# KiCad board ergodonk_simple_zero.kicad_pcb (continued)
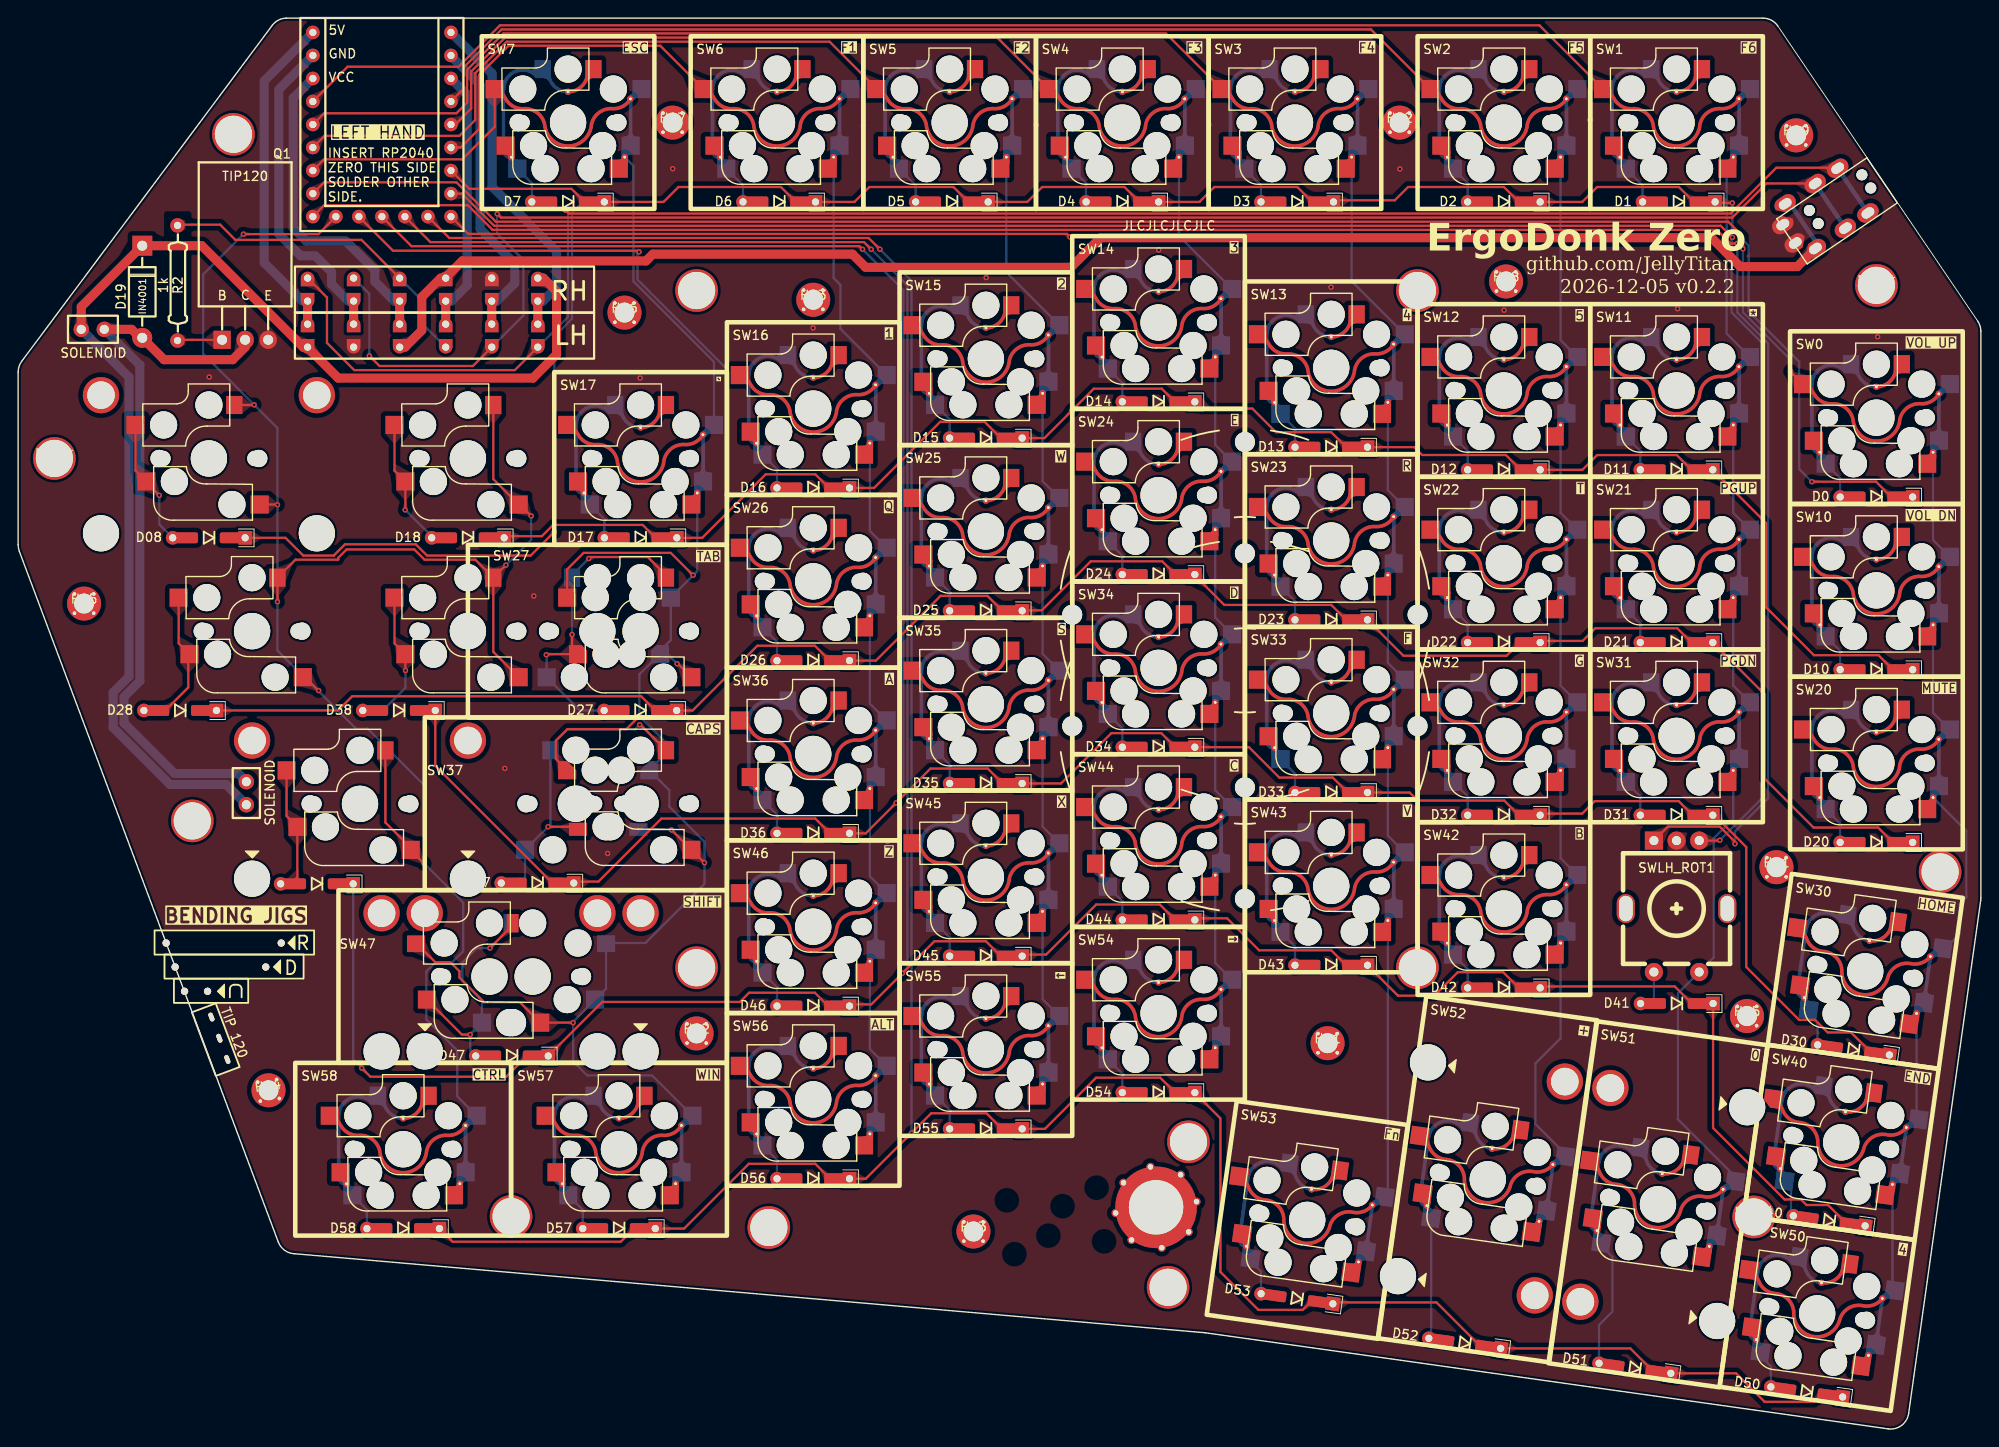
[diagram p0: board, top side]
## Footprints (pads in the part's own frame, mm; a bottom-side part is the same pattern mirrored in y, then rotated)
CherryMX_Choc_Hotswap_ergodonk_simple_zero_DS
  round 1.9 hole 1.9 unplated: (-5.5,0) (5.5,0)
  round 1.7 hole 1.7 unplated: (-5.08,0) (5.08,0)
  round 3 hole 3 unplated: (-5,-3.7) (-3.81,2.54) (-2.54,5.08) (0,-5.9) (2.54,5.08) (3.81,2.54) (5,-3.7)
  round 4 hole 4 unplated: (0,0)
  rect 1.8x2 smd: 5(-2.8,-5.9)
  custom 3.033x2.595 smd: 5(0,-3.4)
  round 0.7 hole 0.3: 5(0,-3.4) 5(6.25,3.81) 6(-6.882,-2.624) 6(-6.25,3.81)
  custom 2.983x2.545 smd far side: 5(1.523,-4.027)
  rrect 1.8x2 smd far side: 5(2.8,-5.9)
  rect 2x2 smd far side: 5(5.6,5.08) 6(-8.1,-3.7) 6(-6.9,2.54)
  custom 1.33x1.33 smd: 5(6.19,3.21) 6(-6.29,4.35)
  rect 2x2 smd: 5(6.9,2.54) 6(-5.6,5.08) 6(8.1,-3.7)
  custom 4.025x11.24 smd far side: 5(7.122,-0.355)
  custom 2.385x6.79 smd far side: 6(-6.9,0.06)
  custom 1.33x1.33 smd far side: 6(-6.29,3.34)
  custom 14.792x6.569 smd: 6(-0.004,2.589)
CherryMX_Choc_Hotswap_ergodonk_simple_zero_DS_1.25u
  round 1.9 hole 1.9 unplated: (-5.5,0) (5.5,0)
  round 1.7 hole 1.7 unplated: (-5.08,0) (5.08,0)
  round 3 hole 3 unplated: (-5,-3.7) (-3.81,2.54) (-2.54,5.08) (0,-5.9) (2.54,5.08) (3.81,2.54) (5,-3.7)
  round 4 hole 4 unplated: (0,0)
  rect 1.8x2 smd: 5(-2.8,-5.9)
  custom 3.033x2.595 smd: 5(0,-3.4)
  round 0.7 hole 0.3: 5(0,-3.4) 5(6.25,3.81) 6(-6.882,-2.624) 6(-6.25,3.81)
  custom 2.983x2.545 smd far side: 5(1.523,-4.027)
  rrect 1.8x2 smd far side: 5(2.8,-5.9)
  rect 2x2 smd far side: 5(5.6,5.08) 6(-8.1,-3.7) 6(-6.9,2.54)
  custom 1.33x1.33 smd: 5(6.19,3.21) 6(-6.29,4.35)
  rect 2x2 smd: 5(6.9,2.54) 6(-5.6,5.08) 6(8.1,-3.7)
  custom 4.025x11.24 smd far side: 5(7.122,-0.355)
  custom 2.385x6.79 smd far side: 6(-6.9,0.06)
  custom 1.33x1.33 smd far side: 6(-6.29,3.34)
  custom 14.792x6.569 smd: 6(-0.004,2.589)
CherryMX_Choc_Hotswap_ergodonk_simple_zero_DS_1.25u_vert
  round 1.9 hole 1.9 unplated: (-5.5,0) (5.5,0)
  round 1.7 hole 1.7 unplated: (-5.08,0) (5.08,0)
  round 3 hole 3 unplated: (-5,-3.7) (-3.81,2.54) (-2.54,5.08) (0,-5.9) (2.54,5.08) (3.81,2.54) (5,-3.7)
  round 4 hole 4 unplated: (0,0)
  rect 1.8x2 smd: 5(-2.8,-5.9)
  custom 3.033x2.595 smd: 5(0,-3.4)
  round 0.7 hole 0.3: 5(0,-3.4) 5(6.25,3.81) 6(-6.882,-2.624) 6(-6.25,3.81)
  custom 2.983x2.545 smd far side: 5(1.523,-4.027)
  rrect 1.8x2 smd far side: 5(2.8,-5.9)
  rect 2x2 smd far side: 5(5.6,5.08) 6(-8.1,-3.7) 6(-6.9,2.54)
  custom 1.33x1.33 smd: 5(6.19,3.21) 6(-6.29,4.35)
  rect 2x2 smd: 5(6.9,2.54) 6(-5.6,5.08) 6(8.1,-3.7)
  custom 4.025x11.24 smd far side: 5(7.122,-0.355)
  custom 2.385x6.79 smd far side: 6(-6.9,0.06)
  custom 1.33x1.33 smd far side: 6(-6.29,3.34)
  custom 14.792x6.569 smd: 6(-0.004,2.589)
CherryMX_Choc_Hotswap_ergodonk_simple_zero_DS_2u_vert
  round 1.9 hole 1.9 unplated: (-5.5,0) (5.5,0)
  round 1.7 hole 1.7 unplated: (-5.08,0) (5.08,0)
  round 3 hole 3 unplated: (-5,-3.7) (-3.81,2.54) (-2.54,5.08) (0,-5.9) (2.54,5.08) (3.81,2.54) (5,-3.7)
  round 4 hole 4 unplated: (0,0)
  rect 1.8x2 smd: 5(-2.8,-5.9)
  custom 3.033x2.595 smd: 5(0,-3.4)
  round 0.7 hole 0.3: 5(0,-3.4) 5(6.25,3.81) 6(-6.882,-2.624) 6(-6.25,3.81)
  custom 2.983x2.545 smd far side: 5(1.523,-4.027)
  rrect 1.8x2 smd far side: 5(2.8,-5.9)
  rect 2x2 smd far side: 5(5.6,5.08) 6(-8.1,-3.7) 6(-6.9,2.54)
  custom 1.33x1.33 smd: 5(6.19,3.21) 6(-6.29,4.35)
  rect 2x2 smd: 5(6.9,2.54) 6(-5.6,5.08) 6(8.1,-3.7)
  custom 4.025x11.24 smd far side: 5(7.122,-0.355)
  custom 2.385x6.79 smd far side: 6(-6.9,0.06)
  custom 1.33x1.33 smd far side: 6(-6.29,3.34)
  custom 14.792x6.569 smd: 6(-0.004,2.589)
CherryMX_Choc_Hotswap_ergodonk_simple_zero_DS_shave_corner
  round 1.9 hole 1.9 unplated: (-5.5,0) (5.5,0)
  round 1.7 hole 1.7 unplated: (-5.08,0) (5.08,0)
  round 3 hole 3 unplated: (-5,-3.7) (-3.81,2.54) (-2.54,5.08) (0,-5.9) (2.54,5.08) (3.81,2.54) (5,-3.7)
  round 4 hole 4 unplated: (0,0)
  rect 1.8x2 smd: 5(-2.8,-5.9)
  custom 3.033x2.595 smd: 5(0,-3.4)
  round 0.7 hole 0.3: 5(0,-3.4) 5(6.25,3.81) 6(-6.882,-2.624) 6(-6.25,3.81)
  custom 2.983x2.545 smd far side: 5(1.523,-4.027)
  rrect 1.8x2 smd far side: 5(2.8,-5.9)
  rect 2x2 smd far side: 5(5.6,5.08) 6(-8.1,-3.7) 6(-6.9,2.54)
  custom 1.33x1.33 smd: 5(6.19,3.21) 6(-6.29,4.35)
  rect 2x2 smd: 5(6.9,2.54) 6(-5.6,5.08)
  custom 4.025x11.24 smd far side: 5(7.122,-0.355)
  custom 2.385x6.79 smd far side: 6(-6.9,0.06)
  custom 1.33x1.33 smd far side: 6(-6.29,3.34)
  custom 14.792x6.569 smd: 6(-0.004,2.589)
  rrect 2x2 smd: 6(8.1,-3.7)
CherryMX_Choc_Hotswap_ergodonk_simple_zero_SS
  round 1.9 hole 1.9 unplated: (-5.5,0) (5.5,0)
  round 1.7 hole 1.7 unplated: (-5.08,0) (5.08,0)
  round 3 hole 3 unplated: (-2.54,5.08) (0,-5.9) (3.81,2.54) (5,-3.7)
  round 4 hole 4 unplated: (0,0)
  rect 2x2 smd: 5(6.9,2.54) 5(8.1,-3.7) 6(-5.6,5.08)
  rect 1.8x2 smd: 6(-2.8,-5.9)
CherryMX_Choc_Hotswap_ergodonk_simple_zero_SS_1.5U
  round 1.9 hole 1.9 unplated: (-5.5,0) (5.5,0)
  round 1.7 hole 1.7 unplated: (-5.08,0) (5.08,0)
  round 3 hole 3 unplated: (-5,3.7) (-3.81,-2.54) (0,5.9) (2.54,-5.08)
  round 4 hole 4 unplated: (0,0)
  rect 2x2 smd: 5(-8.1,3.7) 5(-6.9,-2.54) 6(5.6,-5.08)
  rect 1.8x2 smd: 6(2.8,5.9)
CherryMX_Choc_Hotswap_ergodonk_simple_zero_SS_1.5uLH_1uRH
  round 1.9 hole 1.9 unplated: (-10.262,0) (-5.5,0) (0.738,0) (5.5,0)
  round 1.7 hole 1.7 unplated: (-9.842,0) (-5.08,0) (0.318,0) (5.08,0)
  round 3 hole 3 unplated: (-7.303,-5.08) (-5,3.7) (-4.763,5.9) (-3.81,-2.54) (-0.953,-2.54) (0,5.9) (0.237,3.7) (2.54,-5.08)
  round 4 hole 4 unplated: (-4.763,0) (0,0)
  rect 2x2 smd far side: 5(-10.363,-5.08) 6(3.337,3.7)
  rect 1.8x2 smd far side: 5(-7.562,5.9)
  rrect 2x2 smd: 5(-6.9,-2.54)
  rect 1.8x2 smd: 5(2.8,5.9)
  rect 2x2 smd: 6(-8.1,3.7) 6(5.6,-5.08)
  rrect 2x2 smd far side: 6(2.138,-2.54)
CherryMX_Choc_Hotswap_ergodonk_simple_zero_SS_1.75uLH_1uRH
  round 1.9 hole 1.9 unplated: (-12.644,0) (-5.5,0) (-1.644,0) (5.5,0)
  round 1.7 hole 1.7 unplated: (-12.224,0) (-5.08,0) (-2.064,0) (5.08,0)
  round 3 hole 3 unplated: (-9.684,-5.08) (-7.144,5.9) (-5,3.7) (-3.81,-2.54) (-3.334,-2.54) (-2.144,3.7) (0,5.9) (2.54,-5.08)
  round 4 hole 4 unplated: (-7.144,0) (0,0)
  rect 2x2 smd far side: 5(-12.744,-5.08)
  rect 1.8x2 smd far side: 5(-9.944,5.9)
  rect 2x1.44 smd: 5(-6.9,-2.82)
  rect 1.8x2 smd: 5(2.8,5.9)
  rrect 2x2 smd: 6(-8.1,3.7)
  rect 2x1.41 smd far side: 6(-0.244,-2.835)
  rrect 2x2 smd far side: 6(0.956,3.7)
  rect 2x2 smd: 6(5.6,-5.08)
CherryMX_Choc_Hotswap_ergodonk_simple_zero_SS_2.25U
  round 1.9 hole 1.9 unplated: (-5.5,0) (5.5,0)
  round 1.7 hole 1.7 unplated: (-5.08,0) (5.08,0)
  round 3 hole 3 unplated: (-5,3.7) (-3.81,-2.54) (0,5.9) (2.54,-5.08)
  round 4 hole 4 unplated: (0,0)
  rect 2x2 smd: 5(-8.1,3.7) 5(-6.9,-2.54) 6(5.6,-5.08)
  rect 1.8x2 smd: 6(2.8,5.9)
CherryMX_Choc_Hotswap_ergodonk_simple_zero_SS_2.25uLH 2.75uRH
  round 1.9 hole 1.9 unplated: (-10.262,-0.679) (-5.5,-0.679) (0.738,-0.679) (5.5,-0.679)
  round 1.7 hole 1.7 unplated: (-9.842,-0.679) (-5.08,-0.679) (0.318,-0.679) (5.08,-0.679)
  round 3 hole 3 unplated: (-9.762,3.021) (-8.572,-3.219) (-4.763,5.221) (-2.54,-5.759) (-2.223,-5.759) (0,5.221) (3.81,-3.219) (5,3.021)
  round 4 hole 4 unplated: (-4.763,-0.679) (0,-0.679)
  rect 2x2 smd: 5(-11.662,-3.219) 6(0.838,-5.759)
  rect 2x2 smd far side: 5(-5.6,-5.759) 6(6.9,-3.219)
  rect 1.3x2 smd far side: 5(-2.55,5.221)
  rect 1.302x2.031 smd: 5(-2.211,5.206)
  rect 2x1.829 smd: 6(-12.862,2.936)
  rect 2x1.859 smd far side: 6(8.1,2.951)
CherryMX_Choc_Hotswap_ergodonk_simple_zero_SS_2U
  round 1.9 hole 1.9 unplated: (-5.5,0) (5.5,0)
  round 1.7 hole 1.7 unplated: (-5.08,0) (5.08,0)
  round 3 hole 3 unplated: (-5,3.7) (-3.81,-2.54) (0,5.9) (2.54,-5.08)
  round 4 hole 4 unplated: (0,0)
  rect 2x2 smd: 5(-8.1,3.7) 5(-6.9,-2.54) 6(5.6,-5.08)
  rect 1.8x2 smd: 6(2.8,5.9)
D_DO-41_SOD81_P10.16mm_Horizontal
  rect 2.2x2.2 hole 1.1: 1(0,0)
  oval 2.2x2.2 hole 1.1: 2(10.16,0)
D_SOD-123_DO-35_Hybrid_DoubleSided_ergodonk_simple_zero
  rect 1.5x1.5 hole 0.8: 1(-4,0)
  rect 1.6x1.2 smd far side: 1(-2.75,0) 2(2.7,0)
  rect 1.6x1.2 smd: 1(-2.7,0)
  rrect 0.9x1.2 smd: 1(-1.65,0) 2(1.65,0)
  rrect 0.9x1.2 smd far side: 1(-1.65,0) 2(1.65,0)
  rect 1.94x1.2 smd: 2(2.87,0)
  round 1.5 hole 0.8: 2(4,0)
Hole from sofle for M2 posts gold rimmer
  round 4.7 hole 4.1: (0,0)
jig-diode
  round 0.8 hole 0.8 unplated: (0,0) (10,0)
jig-jumper
  round 0.8 hole 0.8 unplated: (0,0) (2.54,0)
jig-resistor
  round 0.8 hole 0.8 unplated: (0,0) (12.7,0)
Level Shifter Bypass Jumper simple_zero
  rrect 1.6x1.5 hole 0.8: 1(1.27,0) 2(-3.81,0) 2(-1.27,0) 3(-6.35,0)
  round 0.6 smd: 2(-2.54,0)
  custom 3.54x1 smd: 2(-2.54,0)
M2 Standoff hole - keyplate passthrough
  round 4.7 hole 4.1: (0,0)
M2_Hole_fancy_for_bolt-on-plate
  round 0.7 hole 0.4: 1(-1.061,1.061) 1(-1.061,-1.061) 1(1.061,1.061) 1(1.061,-1.061)
  round 3.75 hole 2.2: 1(0,0)
MJ-4PP-9_TRRS_ds_jack
  round 1.2 hole 1.2 unplated: (-1.75,-1.5) (-1.75,-8.5) (0,-1.5) (0,-8.5)
  rrect 1.7x2.5 hole 1x1.5: 1(-2.1,-11.8) 1(0.35,-11.8) 2(-3.85,-10.3) 2(2.1,-10.3)
  oval 1.7x2.5 hole 1x1.5: 3(-3.85,-6.3) 3(2.1,-6.3) 4(-3.85,-3.3) 4(2.1,-3.3)
PinHeader_1x02_P2.54mm_Vertical
  round 1.7 hole 1: 1(0,0)
  oval 1.7x1.7 hole 1: 2(0,-2.54)
R_Axial_DIN0309_L9.0mm_D3.2mm_P12.70mm_Horizontal
  round 1.6 hole 0.8: 1(0,0)
  oval 1.6x1.6 hole 0.8: 2(12.7,0)
RotaryEncoder_EC11_ergodonk_variant
  oval 3.2x2 hole 2.8x1.5 unplated: (0,-5.6) (0,5.6)
  rect 2x2 hole 1: A(-7.5,2.5)
  round 2 hole 1: B(-7.5,-2.5) C(-7.5,0) S1(7,-2.5) S2(7,2.5)
rp2040 Zero simple_zero
  round 1.5 hole 0.8: 1(7.61,10.35) 2(7.61,7.81) 3(7.61,5.27) 4(7.61,2.73) 5(7.61,0.19) 6(7.61,-2.35) 7(7.61,-4.89) 8(7.61,-7.43) 9(7.61,-9.97) 10(5.07,-9.97) 11(2.53,-9.97) 12(-0.01,-9.97) 13(-2.55,-9.97) 14(-5.09,-9.97) 15(-7.63,-9.97) 16(-7.63,-7.43) 17(-7.63,-4.89) 18(-7.63,-2.35) 19(-7.63,0.19) 20(-7.63,2.73) 21(-7.63,5.27) 22(-7.63,7.81) 23(-7.63,10.35)
Solenoid wire hole
  round 0.9 hole 0.6: 1(-4.5,0) 1(-3.182,3.182) 1(-3.182,-3.182) 1(0,4.5) 1(0,-4.5) 1(3.182,3.182) 1(3.182,-3.182) 1(4.5,0)
  round 9 hole 6: 1(0,0)
STAB_MX_P_2u
  round 4 hole 3.048: (-11.906,6.985) (11.906,6.985)
  round 3.988 hole 3.988 unplated: (-11.906,-8.255) (11.906,-8.255)
Tenting_Puck
  round 2.2 hole 2.2 unplated: (-19.05,0) (0,19.05) (0,-19.05) (19.05,0)
tip120_bending_jig
  oval 1x0.5 hole 1.1x0.8 unplated: (-2.5,0) (0,0) (2.5,0)
TO-220-3_Horizontal_TabDown_ergodonk_simple_zero
  rect 1.905x2 hole 1.1: 1(0,0)
  oval 1.905x2 hole 1.1: 2(2.54,0) 3(5.08,0)
uxcell a14092600ux0438 solenoid
  round 0.001 hole 2.2 unplated: (-5,3) (-5,-3) (-1,-1.5) (1,1.5) (5,3) (5,-2.975)

## Nets
+5V: D19.1 J10.2 J_SOL_1.2 JP10.1 JP13.1
GND: J11.1 JP11.1 JP14.1 Q1.3 SWLH_ROT1.C
VCC: J11.2 JP12.1 JP15.1
col0: MCU11.16 SW0.6 SW10.6 SW20.6 SW30.6 SW40.6 SW50.6
col2: MCU11.4 SW2.6 SW12.6 SW22.6 SW32.6 SW42.6 SW52.6
col3: MCU11.19 SW3.6 SW13.6 SW23.6 SW33.6 SW43.6 SW53.6
col4: MCU11.5 SW4.6 SW14.6 SW24.6 SW34.6 SW44.6 SW54.6
col5: MCU11.18 SW5.6 SW15.6 SW25.6 SW35.6 SW45.6 SW55.6
col6: MCU11.6 SW6.6 SW16.6 SW26.6 SW36.6 SW46.6 SW56.6
col7: MCU11.17 SW7.6 SW17.6 SW27.6 SW37.6 SW47.6 SW57.6
col8: MCU11.14 SW08.6 SW18.6 SW28.6 SW38.6 SW48.6 SW58.6
encA: MCU11.15 SWLH_ROT1.A
encB: MCU11.8 SWLH_ROT1.B
row0: D0.1 D1.1 D2.1 D3.1 D4.1 D5.1 D6.1 D7.1 D08.1 MCU11.7
row1: D10.1 D11.1 D12.1 D13.1 D14.1 D15.1 D16.1 D17.1 D18.1 MCU11.9
row2: D20.1 D21.1 D22.1 D23.1 D24.1 D25.1 D26.1 D27.1 D28.1 MCU11.13
row3: D30.1 D31.1 D32.1 D33.1 D34.1 D35.1 D36.1 D37.1 D38.1 MCU11.12
row4: D40.1 D41.1 D42.1 D43.1 D44.1 D45.1 D46.1 D47.1 D48.1 MCU11.11
row5: D50.1 D51.1 D52.1 D53.1 D54.1 D55.1 D56.1 D57.1 D58.1 MCU11.10
RX: J11.3 JP11.3 JP14.3
SOLENOID_CONTROL: JP12.3 JP15.3 R2.2
SW41A: MCU11.20 SW1.6 SW11.6 SW21.6 SW31.6 SW51.6 SWLH_ROT1.S1
SW41B: D41.2 SWLH_ROT1.S2
TX: J11.4 JP10.3 JP13.3
Net-(D0-A): D0.2 SW0.5
Net-(D1-A): D1.2 SW1.5
Net-(D2-A): D2.2 SW2.5
Net-(D3-A): D3.2 SW3.5
Net-(D4-A): D4.2 SW4.5
Net-(D5-A): D5.2 SW5.5
Net-(D6-A): D6.2 SW6.5
Net-(D7-A): D7.2 SW7.5
Net-(D08-A): D08.2 SW08.5
Net-(D10-A): D10.2 SW10.5
Net-(D11-A): D11.2 SW11.5
Net-(D12-A): D12.2 SW12.5
Net-(D13-A): D13.2 SW13.5
Net-(D14-A): D14.2 SW14.5
Net-(D15-A): D15.2 SW15.5
Net-(D16-A): D16.2 SW16.5
Net-(D17-A): D17.2 SW17.5
Net-(D18-A): D18.2 SW18.5
Net-(D19-A): D19.2 J10.1 J_SOL_1.1 Q1.2
Net-(D20-A): D20.2 SW20.5
Net-(D21-A): D21.2 SW21.5
Net-(D22-A): D22.2 SW22.5
Net-(D23-A): D23.2 SW23.5
Net-(D24-A): D24.2 SW24.5
Net-(D25-A): D25.2 SW25.5
Net-(D26-A): D26.2 SW26.5
Net-(D27-A): D27.2 SW27.5
Net-(D28-A): D28.2 SW28.5
Net-(D30-A): D30.2 SW30.5
Net-(D31-A): D31.2 SW31.5
Net-(D32-A): D32.2 SW32.5
Net-(D33-A): D33.2 SW33.5
Net-(D34-A): D34.2 SW34.5
Net-(D35-A): D35.2 SW35.5
Net-(D36-A): D36.2 SW36.5
Net-(D37-A): D37.2 SW37.5
Net-(D38-A): D38.2 SW38.5
Net-(D40-A): D40.2 SW40.5
Net-(D42-A): D42.2 SW42.5
Net-(D43-A): D43.2 SW43.5
Net-(D44-A): D44.2 SW44.5
Net-(D45-A): D45.2 SW45.5
Net-(D46-A): D46.2 SW46.5
Net-(D47-A): D47.2 SW47.5
Net-(D48-A): D48.2 SW48.5
Net-(D50-A): D50.2 SW50.5
Net-(D51-A): D51.2 SW51.5
Net-(D52-A): D52.2 SW52.5
Net-(D53-A): D53.2 SW53.5
Net-(D54-A): D54.2 SW54.5
Net-(D55-A): D55.2 SW55.5
Net-(D56-A): D56.2 SW56.5
Net-(D57-A): D57.2 SW57.5
Net-(D58-A): D58.2 SW58.5
Net-(JP10-C): JP10.2 MCU11.1
Net-(JP11-C): JP11.2 MCU11.2
Net-(JP12-C): JP12.2 MCU11.3
Net-(JP13-C): JP13.2 MCU11.23
Net-(JP14-C): JP14.2 MCU11.22
Net-(JP15-C): JP15.2 MCU11.21
Net-(Q1-B): Q1.1 R2.1

Pads without a net: H11 1; H12 1; H13 1; H14 1; H15 1; H16 1; H17 1; H18 1; H19 1; H21 1; H22 1; H23 1; H25 1; REF**#14 1

## Via types
v1: diameter 0.6, hole 0.3, Top to Bottom, 68 vias

## Routing (per net, layer and track width the routed paths; a pad name or vN(x,y) marks a point on that pad's centre or on a via; arc(x,y) is an arc through that point)
+5V: length 139.7
  Top w1: JP10.1 57.94,126.95 59.41,125.48 59.41,118.52 56.8,115.91 35.31,115.91 31.94,119.29 JP13.1 31.45,119.33 20.27,130.51 D19.1 6.96,123.78 J_SOL_1.2 7.03,121.22 7.06,121.22
  Bottom w1: 25.18,68.85 22.94,71.09 16.76,71.09 10.48,77.37 10.48,81.24 12.23,82.99 12.23,116.02 J_SOL_1.2
GND:
  vias: v1(21.08,116.03) v1(53.69,72.85) v1(56.89,91.87) v1(65.03,63.47) v1(68.62,115.92) v1(72.22,139.02) v1(87.72,121.44) v1(93.26,143.77) v1(95.92,64.81) v1(96.08,83.96) v1(96.14,103.04) v1(106.8,127) v1(112.3,143.83) v1(125.83,130.04) v1(131.38,143.86) v1(144.86,125.93) v1(152.44,138.99) v1(163.94,123.4) v1(173.43,144.41) v1(183.08,123.56) v1(205.15,120.47)
VCC: length 171.7
  Top w1: 47.17,127.01 49.01,128.84 69.28,128.84 70.02,129.58 92.05,129.58 93.51,128.13 116.15,128.13 119.42,131.39 186.81,131.39 190,128.21 196.3,128.21 J11.2 ; JP12.1 46.63,126.95 44.53,124.85 44.53,121.17 42.69,119.33 JP15.1
  Bottom w0.5: 195.58,135.02 198.41,130.83
col0: length 248
  Top w0.25: MCU11.16 33.75,137.51 48.36,137.51 52.71,133.16 188.67,133.16 190.3,131.54 v1(190.3,130.16) ; SW0.6 195.56,116.62 v1(195.56,116.67)
  Bottom w0.25: SW40.6 206.8,15.51 SW50.6 ; v1(195.56,116.67) 195.56,117.92 190.31,123.17 190.31,130.16 v1(190.3,130.16) ; SW10.6 211.27,98.05 SW0.6 ; SW10.6 211.27,79 SW20.6 ; SW30.6 209.45,34.37 ; 212.63,53.01 214.22,54.6 214.22,57.92 214.94,58.65 214.94,65.97 SW20.6
col2: length 200.9
  Top w0.25: MCU11.4 49.08,147.76 49.08,150.11 53.35,154.38 149.25,154.38 SW2.6
  Bottom w0.25: SW32.6 170.18,82 SW22.6 ; SW32.6 170.18,62.95 SW42.6 ; SW12.6 170.18,101.05 SW22.6 ; SW2.6 170.18,120.1 SW12.6 ; SW42.6 170.18,43.08 167.39,40.3 167.39,33.64 170.62,30.41
col3: length 198.1
  Top w0.25: SW3.6 126.64,153.93 53.54,153.93 49.53,149.92 49.53,146.31 48.36,145.13 33.75,145.13 MCU11.19
  Bottom w0.25: SW3.6 147.12,126.6 SW13.6 ; SW23.6 151.12,84.5 SW33.6 ; SW13.6 151.12,103.55 SW23.6 ; SW33.6 151.12,65.45 SW43.6 ; SW43.6 151.12,25.95
col4: length 140.4
  Top w0.25: 113.71,147.8 108.03,153.48 53.72,153.48 49.98,149.74 49.98,145.66 48.22,143.89
  Bottom w0.25: SW44.6 132.07,51.4 SW54.6 ; SW14.6 132.07,108.55 SW24.6 ; SW34.6 132.07,89.5 SW24.6 ; SW14.6 128.07,131.6 SW4.6 ; SW34.6 132.07,70.45 SW44.6
col5: length 142.3
  Top w0.25: MCU11.18 33.8,142.64 48.68,142.64 50.44,144.39 50.44,149.55 53.91,153.03 89.52,153.03 94.67,147.87
  Bottom w0.25: SW25.6 113.02,104.55 SW15.6 ; SW45.6 113.02,47.4 SW55.6 ; SW25.6 113.02,85.5 SW35.6 ; SW45.6 113.02,66.45 SW35.6 ; SW15.6 109.02,127.6 SW5.6
col6: length 113.7
  Top w0.25: SW6.6 70.84,152.58 54.09,152.58 50.89,149.37 50.89,143.41 48.82,141.35 MCU11.6
  Bottom w0.25: SW36.6 93.98,60.95 SW46.6 ; SW26.6 93.98,99.05 SW16.6 ; SW36.6 93.98,80 SW26.6 ; SW6.6 89.97,126.95 90.72,126.2 90.72,121.35 SW16.6 ; SW46.6 93.98,41.9 SW56.6
col7: length 220.4
  Top w0.25: v1(75.72,62.46) 75.7,62.46 SW37.6 v1(72.08,66.08) ; SW27.6 60.58,94.82 62.39,96.63 72.01,96.63 v1(74.48,94.16) ; SW7.6 52.58,143.63 49,140.05 33.75,140.05 MCU11.17 ; SW37.6 59.33,73.91 59.33,75.92 60.61,77.2 67.11,77.2 v1(68.55,78.64) ; 43.91,53.6 46.03,51.48 47.69,51.48 48.69,50.49 48.69,49.8 51.41,47.07 55.35,47.07 SW47.6 v1(61.23,44.82) ; v1(72.7,84.4) 72.79,84.4 SW27.6
  Bottom w0.25: 70.81,85.81 72.01,87.01 SW27.6 v1(74.48,94.16) 74.92,94.61 SW17.6 ; SW7.6 67.89,139.33 67.89,126.59 76.77,117.7 SW17.6 ; 74.39,34.55 69.95,38.98 62.78,38.98 61.23,40.53 v1(61.23,44.82) 61.23,44.92 SW47.6 64.87,48.56 64.87,53.6 69.21,53.6 75.72,60.11 v1(75.72,62.46) 75.72,64.77 71.84,68.65 71.84,70.45 SW37.6 71.08,74.1 71.08,76.12 70.11,77.09 70.09,77.09 v1(68.55,78.64) 68.55,83.24 71,85.7 ; 72.08,66.15 v1(72.08,66.08) 72.03,66.13 SW37.6 ; 71.65,85.46 v1(72.7,84.4)
col8: length 217.5
  Top w0.25: v1(26.04,112.97) 26.02,112.95 23.85,112.95 ; SW38.6 52.42,85.72 SW38.6 ; SW38.6 50.44,95.89 44.83,95.89 43.71,97.01 36.25,97.01 35.31,96.08 35.31,95.89 30.6,95.89 SW28.6 v1(28.61,91.24) ; SW38.6 v1(53.81,95.28) ; v1(24.85,131.79) 24.86,131.79 33.12,131.79 MCU11.14 ; SW48.6 40.52,66.89 43.32,64.09 ; v1(28.61,101.94) 28.59,101.97 SW08.6 ; 31.71,82.86 33.13,81.44 v1(33.16,81.44) ; SW18.6 52.42,104.77 SW18.6 ; v1(44.8,62.37) 44.77,62.37 43.72,63.42 ; 55.34,101.97 v1(56.6,100.71)
  Bottom w0.25: v1(53.81,95.28) 56.6,98.07 v1(56.6,100.71) ; v1(24.85,131.79) 20.41,127.35 20.41,118.59 28.61,110.4 v1(28.61,101.94) v1(28.61,91.24) 28.61,85.86 33.03,81.44 v1(33.16,81.44) 33.16,81.37 37.29,77.24 38.57,77.24 44.8,71.02 v1(44.8,62.37) 49.11,58.06 49.11,52.69 47.89,51.48 46.06,51.48 45.03,50.45 45.03,45.16 48.45,41.75 48.45,36.68 SW58.6 ; 48.83,27.04 49.27,27.48 49.27,33.16
encA: length 239.1
  Top w0.25: v1(189.68,130.76) 188.91,130.76 187.41,132.26 52.33,132.26 49.61,134.99 33.77,134.99 MCU11.15 ; SWLH_ROT1.A 182.01,66.43 187.75,66.43 189.42,64.77 v1(189.42,64.54)
  Bottom w0.25: v1(189.68,130.76) 189.68,123.16 193.07,119.76 193.07,69.55 189.42,65.9 v1(189.42,64.54)
encB: length 215.7
  Top w0.25: v1(187.75,64.92) 187.72,64.9 SWLH_ROT1.B ; MCU11.8 48.97,136.27 52.52,132.71 187.85,132.71 v1(189.13,131.44)
  Bottom w0.25: v1(187.75,64.92) 192.62,69.8 192.62,119.57 189.05,123.15 189.05,131.36 v1(189.13,131.44)
row0: length 255
  Top w0.25: D0.1 204.99,104.49 v1(197.89,104.49) ; D1.1 183.23,136.99 174.21,136.99 172.57,135.35 168.1,135.35 ; 126,135.35 130.34,135.35 131.98,136.99 141.13,136.99 D3.1 ; 62.33,135.52 61.05,136.79 49.77,136.79 MCU11.7 ; D08.1 29.49,98.3 31.45,96.34 34.86,96.34 34.86,96.37 36.05,97.57 43.88,97.57 45.11,96.34 56.55,96.34 v1(59.15,98.94) ; 107.2,135.35 111.34,135.35 112.98,136.99 122.07,136.99 123.48,135.58 ; 187.51,135.23 v1(189.13,135.23) ; 145.12,135.52 151.88,135.52 153.35,136.99 163.93,136.99 D2.1 ; 64.85,135.35 71.21,135.35 72.85,136.99 84.16,136.99 85.62,135.52 ; 88.15,135.35 92.27,135.35 93.92,136.99 103.2,136.99 104.67,135.52
  Bottom w0.25: 208.02,102.97 209.02,102.97 ; v1(59.15,98.94) 59.15,120.5 61.11,122.46 61.11,134.14 62.5,135.52 64.67,135.52 ; v1(197.89,104.49) 196.5,105.89 196.5,117.72 190.93,123.29 190.93,130.54 189.13,132.33 v1(189.13,135.23)
row1: length 254.5
  Top w0.25: 149.05,108.3 154.03,108.3 154.9,107.43 164.14,107.43 165.57,106 ; 168.1,105.8 172.59,105.8 174.21,107.42 183,107.42 D11.1 ; 110.95,109.3 113.23,109.3 v1(116.27,112.35) 118.67,114.75 126.17,114.75 127.45,113.47 ; D14.1 130.57,112.55 136.17,112.55 138.78,109.94 144.88,109.94 D13.1 ; D16.1 94.44,103.8 101.73,111.09 106.63,111.09 D15.1 ; D17.1 68.91,99.71 59.02,99.71 57.78,98.47 53.62,98.47 ; MCU11.9 49.67,131.81 115.72,131.81 v1(116.05,131.49) ; 89.38,103.88 87.96,105.3 82.48,105.3 75.48,98.3 D17.1 ; 206.68,83.92 205.25,85.35 198.13,85.35 192.86,90.63 192.86,99.92 D11.1
  Bottom w0.25: v1(116.27,112.35) 116.27,131.26 v1(116.05,131.49)
row2: length 283.6
  Top w0.25: D23.1 144.88,90.89 133.08,90.89 129.82,94.14 ; D21.1 183.06,88.31 174,88.31 172.61,86.92 167.93,86.92 ; v1(68.51,129.84) 68.39,129.96 41.36,129.96 MCU11.13 ; D27.1 68.73,80.82 36.86,80.82 35.29,79.25 D28.1 ; 206.68,64.87 205.21,66.34 198.08,66.34 192.73,71.7 192.73,80.99 186.98,86.74 ; D23.1 152.83,85.29 164.23,85.29 165.57,86.63 D22.1 ; 91.9,84.75 94.63,84.75 101.77,91.89 106.95,91.89 108.42,90.42 ; 72.83,79.25 74.41,79.25 v1(78.2,83.03) 81.56,86.39 87.91,86.39 89.38,84.92 ; 127.48,94.46 126.23,95.7 118.34,95.7 112.93,90.29 110.9,90.29
  Bottom w0.25: v1(68.51,129.84) 68.33,129.66 68.33,126.77 78.2,116.9 v1(78.2,83.03) ; 70.33,79.42 71.33,79.42
row3: length 303.8
  Top w0.25: 184.59,67.87 183.21,69.24 173.94,69.24 172.56,67.87 167.93,67.87 ; 60,60.37 58.8,60.37 46.02,73.14 46.02,79.11 ; D34.1 135.8,75.2 139.15,71.84 145.06,71.84 146.52,70.37 ; 91.9,65.7 93.52,65.7 v1(96.88,69.06) 100.66,72.84 106.98,72.84 108.42,71.39 ; 149.05,70.2 153.52,70.2 154.4,69.32 163.95,69.32 D32.1 ; 204.13,41.82 202.21,43.74 199.64,43.74 198.25,45.13 196.49,45.13 190.67,50.94 190.67,64.18 186.98,67.87 ; 89.38,65.9 87.94,67.33 70.97,67.33 64.02,60.37 61.3,60.37 ; MCU11.12 43.4,130.46 92.82,130.46 v1(93.17,130.12) ; 110.95,71.2 115.06,71.2 120.61,76.75 126.12,76.75 127.48,75.4
  Bottom w0.25: v1(93.17,130.12) 97.67,125.62 97.67,69.85 v1(96.88,69.06)
row4: length 337.9
  Top w0.25: D46.1 87.91,48.11 80.65,48.11 79.63,47.1 64.45,47.1 D47.1 ; 129.82,56.32 133.39,56.32 136.92,52.79 144.88,52.79 D43.1 ; 201.47,22.91 199.69,24.69 197.31,24.69 196.7,25.3 194.89,25.3 187,33.19 D41.1 ; D45.1 106.78,53.79 101.09,53.79 v1(97.55,50.25) 94.12,46.82 91.72,46.82 ; 167.94,48.8 182.77,48.8 D41.1 ; v1(94.12,130.11) 93.32,130.91 45.49,130.91 MCU11.11 ; D42.1 163.85,50.37 158.83,50.37 156.25,47.79 152.23,47.79 D43.1 ; D47.1 53.84,38.84 38.86,38.84 v1(37.91,39.8) ; 110.77,52.32 113.42,52.32 118.94,57.84 125.96,57.84 127.48,56.33
  Bottom w0.25: D48.1 36.97,40.74 v1(37.91,39.8) ; v1(94.12,130.11) 98.11,126.12 98.11,50.81 v1(97.55,50.25)
row5: length 324.3
  Top w0.25: 180.02,6.73 177.87,8.87 D52.1 ; 200.97,4.01 199.14,4.01 198.11,2.99 192.69,2.99 189.55,6.12 D51.1 ; v1(95.08,130.13) 93.84,131.36 47.58,131.36 MCU11.10 ; 127.48,37.27 126.01,38.74 118.93,38.74 113.29,33.1 D55.1 ; 145.21,13.95 156.49,13.95 D52.1 ; D58.1 47.93,20.65 66.49,20.65 D57.1 ; 108.42,33.23 106.84,34.81 100.74,34.81 v1(98.56,32.63) 93.52,27.6 91.9,27.6 ; 89.38,27.81 87.94,29.24 80.62,29.24 73.47,22.1 D57.1 ; 129.82,37.07 132.64,34.25 132.64,17.32 136.83,13.13 141.73,13.13 142.74,14.13
  Bottom w0.25: v1(95.08,130.13) 98.57,126.64 98.57,32.64 v1(98.56,32.63)
RX: length 194.6
  Top w0.25: J11.3 192.88,137.38 189.11,133.61 53.28,133.61 v1(52.86,134.04) ; v1(38.75,118.37) 39.88,117.24 50.17,117.24 JP11.3
  Bottom w0.25: v1(38.75,118.37) 38.75,125.22 JP14.3 ; JP11.3 55.75,122.82 55.75,128.94 52.86,131.83 v1(52.86,134.04)
  Bottom w0.5: J11.3 201.61,132.45
SOLENOID_CONTROL: length 36.6
  Top w0.25: JP15.3 37.88,131.16 23.96,131.16 22.3,132.83 17.66,132.83
  Bottom w0.25: JP15.3 44.52,124.52 44.52,121.98 JP12.3
SW41A: length 246.8
  Top w0.25: SW1.6 167.84,154.83 53.16,154.83 48.59,150.26 36.34,150.26 MCU11.20
  Bottom w0.25: SW31.6 189.23,67.28 187.07,65.13 187.07,52 SWLH_ROT1.S1 183.12,48.05 183.12,34.15 189.49,27.78 ; 191.07,118.25 188.5,120.81 188.5,139.56 SW1.6 ; SW11.6 189.23,101.05 SW21.6 ; SW31.6 189.23,82 SW21.6
SW41B: length 3.3
  Bottom w0.25: SWLH_ROT1.S2 180.48,47.09
TX: length 200.1
  Top w0.25: J11.4 199.52,139.06 199.46,139.11 ; v1(60.37,134.45) 60.76,134.06 188.93,134.06 193.98,139.11 199.46,139.11 ; JP13.3 34.08,124.81 34.08,119.8 37.08,116.79 54.8,116.79 JP10.3 ; 199.46,139.11 200.74,139.11
  Bottom w0.25: v1(60.37,134.45) 60.66,134.16 60.66,122.64 58.72,120.7 58.7,120.7 JP10.3
  Bottom w0.5: J11.4 J11.4
Net-(D0-A): length 4.2
  Bottom w0.25: SW0.5 201.02,104.87 201.02,102.97
Net-(D1-A): length 4.3
  Bottom w0.25: SW1.5 179.23,137.17 179.23,135.52
Net-(D2-A): length 4.2
  Bottom w0.25: 159.93,135.52 159.93,137.42 SW2.5
Net-(D3-A): length 4.3
  Bottom w0.25: SW3.5 137.12,137.17 137.12,135.52
Net-(D4-A): length 4.2
  Bottom w0.25: SW4.5 117.83,137.42 117.83,135.52
Net-(D5-A): length 4.3
  Bottom w0.25: 99.02,135.52 99.02,137.17 SW5.5
Net-(D6-A): length 4.3
  Bottom w0.25: 79.97,135.52 79.97,137.17 SW6.5
Net-(D7-A): length 4.2
  Bottom w0.25: SW7.5 56.67,137.42 56.67,135.52
Net-(D08-A): length 13.8
  Top w0.25: 14.15,104.4 v1(15.57,102.98) ; SW08.5 12.95,105.71 SW08.5
  Bottom w0.25: 16.88,98.47 15.57,99.77 v1(15.57,102.98)
Net-(D10-A): length 4.2
  Bottom w0.25: SW10.5 201.02,85.82 201.02,83.92
Net-(D11-A): length 4.2
  Bottom w0.25: 178.98,105.97 178.98,107.87 SW11.5
Net-(D12-A): length 4.2
  Bottom w0.25: SW12.5 159.93,107.87 159.93,105.97
Net-(D13-A): length 4.2
  Bottom w0.25: 140.88,108.47 140.88,110.37 SW13.5
Net-(D14-A): length 4.2
  Bottom w0.25: SW14.5 121.83,115.37 121.83,113.47
Net-(D15-A): length 4.3
  Bottom w0.25: D15.2 102.77,111.37 SW15.5
Net-(D16-A): length 4.3
  Bottom w0.25: D16.2 83.72,105.87 SW16.5
Net-(D17-A): length 4.2
  Bottom w0.25: SW17.5 64.67,100.37 64.67,98.47
Net-(D18-A): length 14
  Top w0.25: SW18.5 41.52,105.71 SW18.5 42.72,101.39 v1(42.7,101.37)
  Bottom w0.25: v1(42.7,101.37) 42.72,101.37 45.62,98.47
Net-(D19-A): length 80.4
  Top w1: D19.2 16.1,117.94 23.66,117.94 25.05,119.32 Q1.2 ; J_SOL_1.1 12.52,121.29 13.7,120.12
  Bottom w1: J10.1 24.28,72.29 17.25,72.29 11.68,77.86 11.68,80.74 13.43,82.49 13.43,117.36 J_SOL_1.1
Net-(D20-A): length 4.2
  Bottom w0.25: 201.02,64.87 201.02,66.77 SW20.5
Net-(D21-A): length 4.3
  Bottom w0.25: D21.2 178.98,88.82 SW21.5
Net-(D22-A): length 4.2
  Bottom w0.25: 159.93,86.92 159.93,88.82 SW22.5
Net-(D23-A): length 4.2
  Bottom w0.25: SW23.5 140.88,91.32 140.88,89.42
Net-(D24-A): length 4.2
  Bottom w0.25: SW24.5 121.83,96.32 121.83,94.42
Net-(D25-A): length 4.2
  Bottom w0.25: 102.77,90.42 102.77,92.32 SW25.5
Net-(D26-A): length 4.2
  Bottom w0.25: SW26.5 83.72,86.82 83.72,84.92
Net-(D27-A): length 33.5
  Top w0.25: SW27.5 58.33,85.46 v1(58.27,85.4) ; 71.47,94.17 69.47,96.18 63.12,96.18 v1(62.95,96.01) ; v1(61.11,87.63) 61.11,86.12
  Bottom w0.25: 61.11,94.16 v1(62.95,96.01) ; SW27.5 61.11,87.63 v1(61.11,87.63) ; 64.48,79.25 61.98,79.25 SW27.5 58.31,85.36 v1(58.27,85.4)
Net-(D28-A): length 13.9
  Top w0.25: 18.77,85.32 18.77,81.8 D28.2 ; SW28.5 17.71,86.66 SW28.5
Net-(D30-A): length 3.6
  Bottom w0.25: 197.54,45.73 198.53,44.74 198.53,42.53
Net-(D31-A): length 4.2
  Bottom w0.25: 178.98,67.87 178.98,69.77 SW31.5
Net-(D32-A): length 4.2
  Bottom w0.25: 159.93,67.87 159.93,69.77 SW32.5
Net-(D33-A): length 4.3
  Bottom w0.25: D33.2 140.88,72.27 SW33.5
Net-(D34-A): length 4.2
  Bottom w0.25: SW34.5 121.83,77.27 121.83,75.37
Net-(D35-A): length 4.2
  Bottom w0.25: 102.77,71.37 102.77,73.27 SW35.5
Net-(D36-A): length 4.3
  Bottom w0.25: D36.2 83.72,67.77 SW36.5
Net-(D37-A): length 36.1
  Top w0.25: SW37.5 68.66,77.68 v1(68.58,77.68) ; 61.77,66.42 58.48,66.42 v1(58.48,66.42)
  Bottom w0.25: v1(68.58,77.68) 68.06,77.17 60.64,77.17 58.73,75.26 ; 55.93,60.49 SW37.5 v1(58.48,66.42) 58.73,66.68 SW37.5 ; 53.3,60.37 55.66,60.37
Net-(D38-A): length 14.9
  Top w0.25: v1(42.73,83.66) 42.72,83.67 SW38.5 41.52,86.66 SW38.5
  Bottom w0.25: v1(42.73,83.66) 42.73,81.75 40.23,79.25 D38.2
Net-(D40-A): length 2.5
  Bottom w0.25: 195.59,26.52 195.59,23.98
Net-(D42-A): length 4.3
  Bottom w0.25: SW42.5 159.93,50.72 D42.2
Net-(D43-A): length 4.3
  Bottom w0.25: D43.2 140.88,53.22 SW43.5
Net-(D44-A): length 4.3
  Bottom w0.25: SW44.5 121.83,58.22 D44.2
Net-(D45-A): length 4.3
  Bottom w0.25: SW45.5 102.77,54.22 D45.2
Net-(D46-A): length 4.3
  Bottom w0.25: SW46.5 83.72,48.72 D46.2
Net-(D47-A): length 28.7
  Top w0.25: 45.11,47.35 48.96,43.5 v1(49.89,43.5) ; 54.81,55.8 52.05,53.04 v1(52.05,53.03)
  Bottom w0.25: SW47.5 49.89,43.53 v1(49.89,43.5) 49.89,41.73 D47.2 ; 51.16,44.82 51.16,47.26 49.02,49.41 49.02,51.45 50.6,53.03 v1(52.05,53.03) 53.97,54.95
Net-(D48-A): length 13.3
  Top w0.25: 30.8,66.39 30.8,60.83 D48.2 ; SW48.5 29.62,67.61 SW48.5
Net-(D50-A): length 3.9
  Bottom w0.25: D50.2 193.38,6.88 192.24,8.02
Net-(D51-A): length 14.1
  Bottom w0.25: D51.2 174.42,11.46 175.89,12.93 175.89,18.97 174.67,20.2
Net-(D52-A): length 13
  Bottom w0.25: SW52.5 155.9,10.24
Net-(D53-A): length 4.1
  Bottom w0.25: 135.97,18.51 137.13,17.35 D53.2
Net-(D54-A): length 4.3
  Bottom w0.25: D54.2 121.83,39.17 SW54.5
Net-(D55-A): length 4.3
  Bottom w0.25: D55.2 102.77,35.17 SW55.5
Net-(D56-A): length 4.3
  Bottom w0.25: SW56.5 83.72,29.67 D56.2
Net-(D57-A): length 4.3
  Bottom w0.25: D57.2 62.29,24.17 SW57.5
Net-(D58-A): length 4.3
  Bottom w0.25: SW58.5 38.48,24.17 D58.2
Net-(JP10-C): length 35.6
  Bottom w1: MCU11.1 52.28,149.52 52.28,137.03 59.41,129.91 59.41,125.92 57.89,124.41 JP10.2
Net-(JP11-C): length 31.5
  Bottom w1: JP11.2 52.83,124.41 54.8,126.37 54.8,128.54 50.97,132.36 50.97,148.26 47.64,151.59
Net-(JP12-C): length 26.6
  Bottom w1: JP12.2 47.8,124.41 49.55,126.15 49.55,147.18 MCU11.3
Net-(JP13-C): length 34.2
  Bottom w1: JP13.2 31.38,124.41 27.14,128.64 27.14,148.68 MCU11.23
Net-(JP14-C): length 33.3
  Bottom w1: MCU11.22 28.77,147.76 28.77,131.8 31.17,129.39 32.78,129.39 34.58,127.59 34.58,126.26 36.44,124.41 JP14.2
Net-(JP15-C): length 33.2
  Bottom w1: MCU11.21 30.34,146.8 30.34,132.48 31.79,131.03 36.14,131.03 39.36,127.81 39.36,126.55 41.51,124.41 JP15.2
Net-(Q1-B): length 4.8
  Top w0.25: Q1.1 17.67,120.14

## Copper pours and planes (outline as drawn; the poured copper is in the pictures)
GND on Top: -3.24,162.83 219.86,159.5 220.9,-6.59 25,15.68 -4.64,93.38
GND on Bottom: 26.23,17.61 218.62,-3.26 218.45,157.05 -1.14,160.66 -2.73,96.87

Small or netless copper shapes (teardrops, artwork), in the pictures only: 245 on Top, 294 on Bottom

## Text on the board
B.Silkscreen: INSERT RP2040 / ZERO THIS SIDE / SOLDER OTHER / SIDE. | RIGHT HAND | RH | LH
F.Silkscreen: INSERT RP2040 / ZERO THIS SIDE / SOLDER OTHER / SIDE. | JLCJLCJLCJLC | LEFT HAND | BENDING JIGS | RH | LH | github.com/JellyTitan / ${CURRENT_DATE} v${REVISION} | ErgoDonk Zero
